# Altium PCB Layout.PcbDoc (continued)
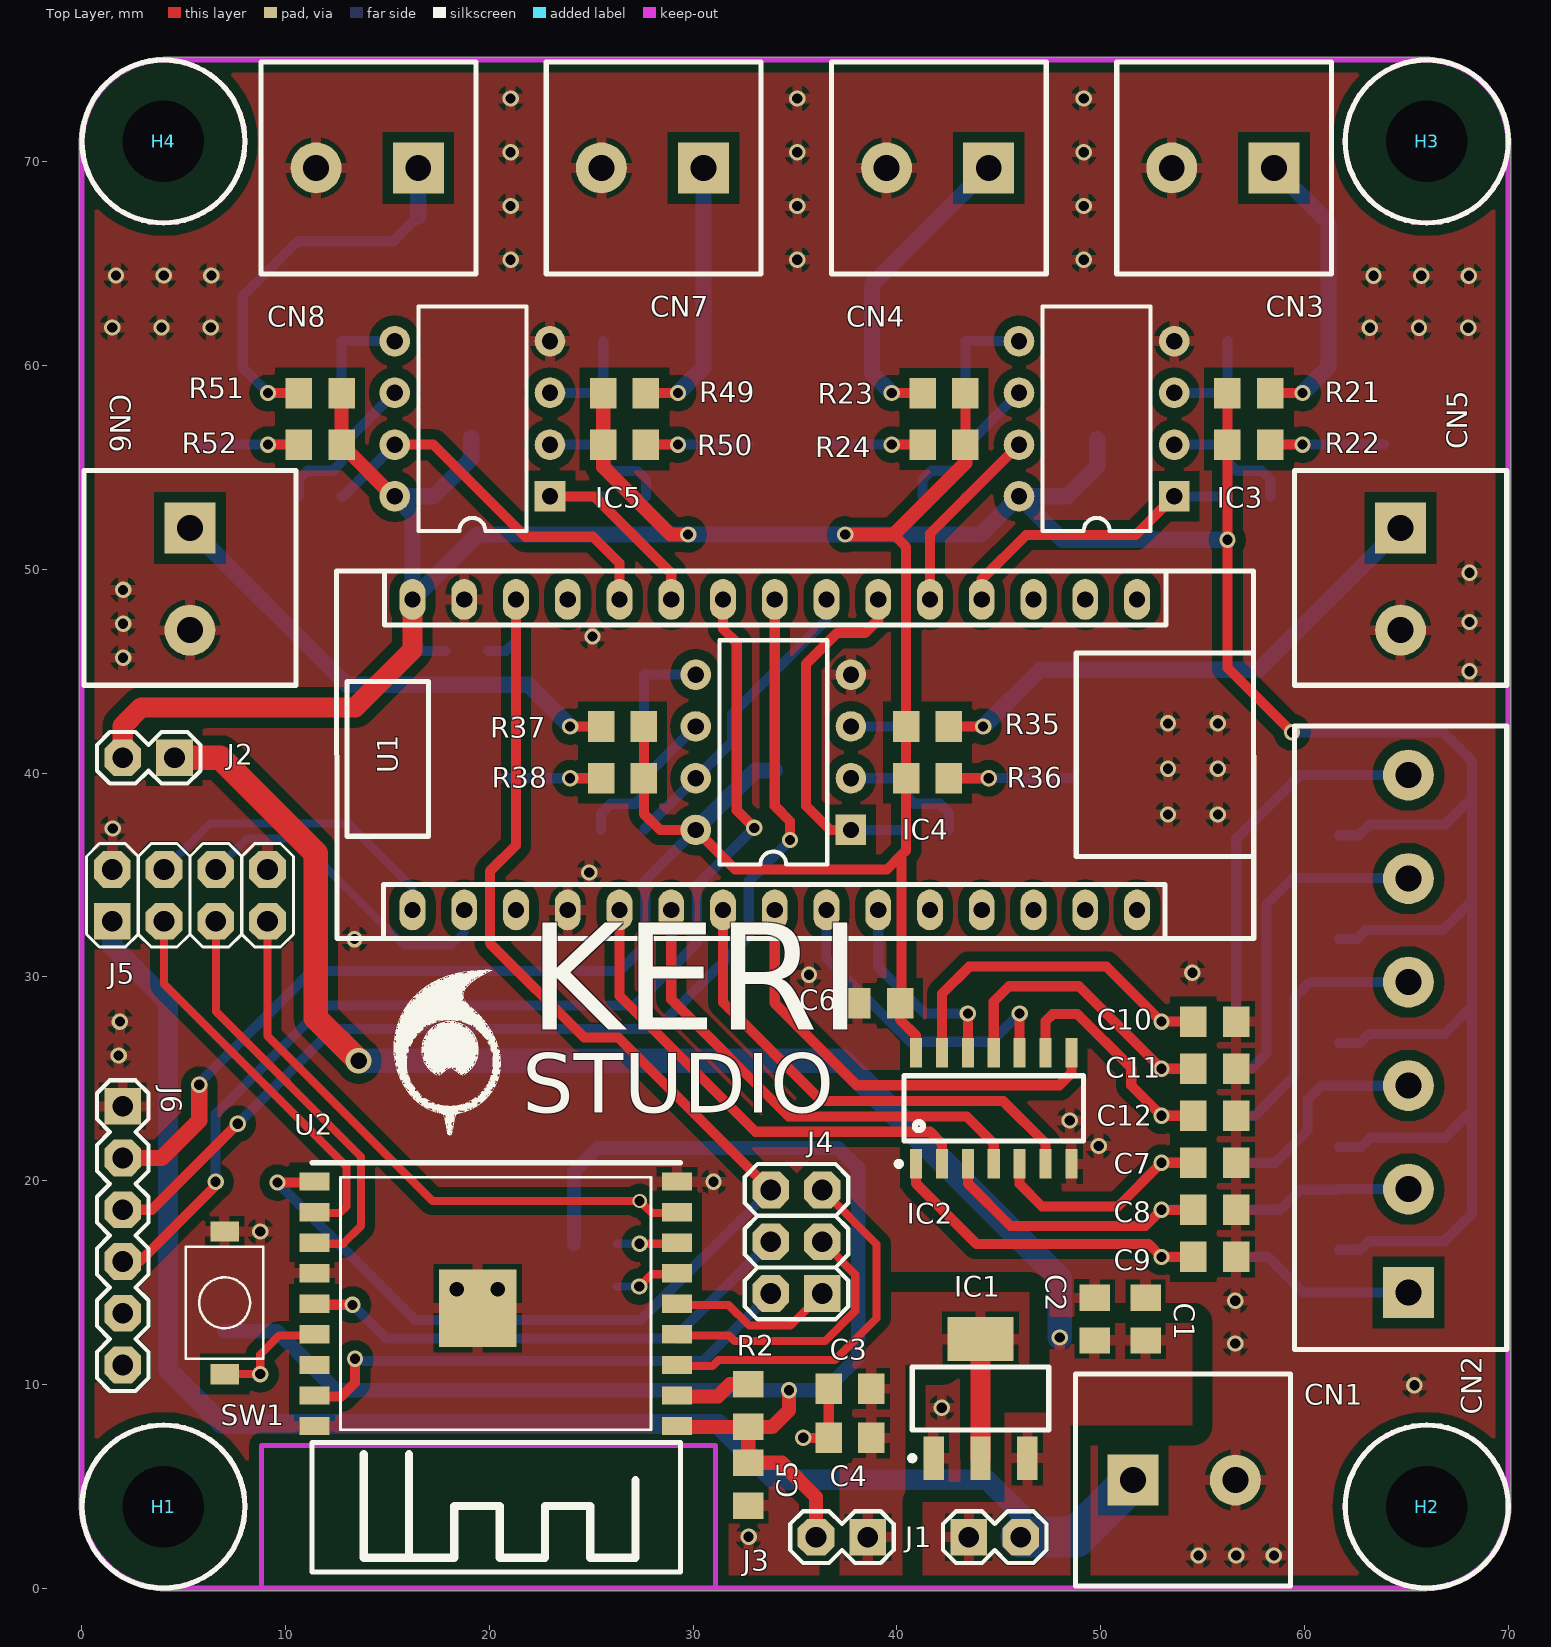
[diagram p0: Top Layer view]
## Part data (continued)
J1 J2 J3: library part Header_2.54mm_1X02, "TE Connectivity AMPMODU Mod II Series, 2.54mm Pitch 2 Way 1 Row Straight Breakaway Header, Solder Termination, 3A", Colour=Green, Current Rating=3A, Flammability Rating="UL94 V-0", High Temperature Housing=No, Manufacturer="TE Connectivity", Manufacturer Part Number=826646-2, Max Operating Temperature=105°C, Min Operating Temperature=-65°C, Package Quantity=3000, Supplier Part Number 1=571-826646-2, Board Standoff="No (Without)", ComponentLink1Description=https://datasheet.ciiva.com/11746/0900766b80d7c469-11746485.pdf, ComponentLink1URL=https://datasheet.ciiva.com/11746/0900766b80d7c469-11746485.pdf, ComponentLink2Description=https://datasheet.ciiva.com/31842/8266462-31842526.pdf, ComponentLink2URL=https://datasheet.ciiva.com/31842/8266462-31842526.pdf, ComponentLink3Description=https://datasheet.ciiva.com/29369/001094740-da-01-en-stiftleiste-1-reihig-0-0826646-2-29369543.pdf, ComponentLink3URL=https://datasheet.ciiva.com/29369/001094740-da-01-en-stiftleiste-1-reihig-0-0826646-2-29369543.pdf, ComponentLink4Description=https://datasheet.ciiva.com/735/eng-cd-826629-aa-basefilename-735038.pdf, ComponentLink4URL=https://datasheet.ciiva.com/735/eng-cd-826629-aa-basefilename-735038.pdf, Connector Type=Plug,Pin,Header, Contact Gender=Male, Contact Material=Bronze, Contact Mating Length=0.228inch, Contact Plating=Tin,Gold, Contact Protection="No (Without)", Contact Shape=Square, Depth=2.5mm, ELV=Compliant, Gasket="No (Without)", High Speed Serial Data Connector=No, Housing Colour=Green, Housing Material=PBT, Keyed=No, Lead Free="Lead Free", Length=5.08mm, Mating Alignment="No (Without)", Mating Connector Lock="No (Without)", Mating Post Length=5.8mm, Mount="Straddle Mount", Number of Contacts=2, Number of Positions=2, Number of Rows=1, Orientation=Straight, Packaging=Carton, PCB Mount Retention=Without, Pitch=2.54mm, Plating Thickness=0.8um, Pricing 1="1=0.37, 10=0.343, 50=0.343, 100=0.263, 1000=0.189, 10000=0.157 (USD)", Radiation Hardening=No, Row Spacing=2.54mm, Selectively Loaded="No (Without)", Stabilizers="No (Without)", Stock 1=37059, Strain Relief="No (Without)", Supplier 1=Mouser, Termination="Through Hole", Termination Post Length=0.1259inch
J4: library part Header_2.54mm_2X03, "Headers & Wire Housings 03+03 DIL VERTICAL PIN HEADER TIN", Colour=Black, Contact Resistance=25mR, Current Rating=3A, Insulation Resistance=10GR, Manufacturer=Harwin, Manufacturer Part Number=M20-9980346, Max Operating Temperature=105°C, Min Operating Temperature=-40°C, Package Quantity=1000, Supplier Part Number 1=855-M20-9980346, ComponentLink1Description=https://datasheet.ciiva.com/11745/0900766b81034e61-11745752.pdf, ComponentLink1URL=https://datasheet.ciiva.com/11745/0900766b81034e61-11745752.pdf, ComponentLink2Description=https://datasheet.ciiva.com/26899/getdatasheetpartid-483857-26899433.pdf, ComponentLink2URL=https://datasheet.ciiva.com/26899/getdatasheetpartid-483857-26899433.pdf, ComponentLink3Description=https://datasheet.ciiva.com/8046/112195-8046906.pdf, ComponentLink3URL=https://datasheet.ciiva.com/8046/112195-8046906.pdf, Connector Type="Male Pin", Contact Material=Bronze,Brass, Contact Mating Length=0.24inch, Contact Plating=Nickel,Tin, Depth=5.08mm, Gender=Male, Housing Colour=Black, Housing Material=Nylon, Length=7.62mm, Max Current Rating=3A, Mount="Through Hole", Number of Contacts=6, Number of Positions=6, Number of Rows=2, Orientation=Straight, Packaging=Bag, Pitch=2.54mm, Pricing 1="1=0.24, 10=0.229, 50=0.229, 100=0.159, 1000=0.11, 10000=0.089 (USD)", Radiation Hardening=No, REACH SVHC="No SVHC", Row Spacing=0.1inch, Stock 1=8602, Supplier 1=Mouser, Termination=Solder
J5: library part Header_2.54mm_2X04, "Headers & Wire Housings 04+04 DIL VERTICAL PIN HEADER TIN", Colour=Black, Contact Resistance=30mR, Current Rating=3A, Insulation Resistance=10GR, Manufacturer=Harwin, Manufacturer Part Number=M20-9980446, Max Operating Temperature=105°C, Min Operating Temperature=-40°C, Package Quantity=1000, Supplier Part Number 1=855-M20-9980446, ComponentLink1Description=https://datasheet.ciiva.com/11745/0900766b81034e61-11745748.pdf, ComponentLink1URL=https://datasheet.ciiva.com/11745/0900766b81034e61-11745748.pdf, ComponentLink2Description=https://datasheet.ciiva.com/6814/m20-998-6814757.pdf, ComponentLink2URL=https://datasheet.ciiva.com/6814/m20-998-6814757.pdf, ComponentLink3Description=https://datasheet.ciiva.com/9480/m20-998-9480200.pdf, ComponentLink3URL=https://datasheet.ciiva.com/9480/m20-998-9480200.pdf, ComponentLink4Description=https://datasheet.ciiva.com/26899/getdatasheetpartid-505183-26899434.pdf, ComponentLink4URL=https://datasheet.ciiva.com/26899/getdatasheetpartid-505183-26899434.pdf, ComponentLink5Description=https://datasheet.ciiva.com/8046/112195-8046909.pdf, ComponentLink5URL=https://datasheet.ciiva.com/8046/112195-8046909.pdf, Connector Type="Male Pin", Contact Material=Bronze,Brass, Contact Mating Length=0.24inch, Contact Plating=Tin, Depth=5.08mm, Gender=Male, Housing Colour=Black, Housing Material=Nylon, Length=10.16mm, Max Current Rating=3A, Mount="Through Hole", Number of Contacts=8, Number of Positions=8, Number of Rows=2, Orientation=Straight, Packaging=Bag, Pitch=2.54mm, Pricing 1="1=0.3, 10=0.28, 50=0.28, 100=0.196, 1000=0.14, 10000=0.112 (USD)", Radiation Hardening=No, REACH SVHC="No SVHC", Row Spacing=0.1inch, Stock 1=10983, Supplier 1=Mouser, Termination=Solder
J6: library part Header_2.54mm_1X06, "CONNECTOR, 6WAY, VERTICAL, 2.54", Colour=Green, Current Rating=3A, Flammability Rating="UL94 V-0", High Temperature Housing=No, Manufacturer="TE Connectivity", Manufacturer Part Number=826646-6, Max Operating Temperature=105°C, Min Operating Temperature=-65°C, Package Quantity=1000, Supplier Part Number 1=571-826646-6, Board Standoff="No (Without)", ComponentLink1Description=https://datasheet.ciiva.com/1448/47535-1448067.pdf, ComponentLink1URL=https://datasheet.ciiva.com/1448/47535-1448067.pdf, ComponentLink2Description=https://datasheet.ciiva.com/49517/abc918-49517591.pdf, ComponentLink2URL=https://datasheet.ciiva.com/49517/abc918-49517591.pdf, ComponentLink3Description=https://datasheet.ciiva.com/6816/eng-cd-826629-aa-basefilename-6816056.pdf, ComponentLink3URL=https://datasheet.ciiva.com/6816/eng-cd-826629-aa-basefilename-6816056.pdf, ComponentLink4Description=https://datasheet.ciiva.com/11754/0900766b80d7c469-11754285.pdf, ComponentLink4URL=https://datasheet.ciiva.com/11754/0900766b80d7c469-11754285.pdf, ComponentLink5Description=https://datasheet.ciiva.com/29369/001094744-da-01-en-stiftleiste-1-reihig-0-0826646-6-29369560.pdf, ComponentLink5URL=https://datasheet.ciiva.com/29369/001094744-da-01-en-stiftleiste-1-reihig-0-0826646-6-29369560.pdf, Connector Type=Plug,Pin,Header, Contact Gender=Male, Contact Material=Bronze, Contact Mating Length=0.228inch, Contact Plating=Tin,Gold, Contact Protection="No (Without)", Contact Shape=Square, Depth=2.5mm, Gasket="No (Without)", High Speed Serial Data Connector=No, Housing Colour=Green, Housing Material=PBT, Keyed=No, Length=15.24mm, Mating Alignment="No (Without)", Mating Connector Lock="No (Without)", Mating Post Length=5.8mm, Mount="Straddle Mount", Number of Contacts=6, Number of Positions=6, Number of Rows=1, Orientation=Straight, Packaging=Carton, PCB Mounting Orientation=Vertical, PCB Mount Retention=Without, Pitch=2.54mm, Plating Thickness=0.8um, Pricing 1="1=0.79, 10=0.693, 50=0.693, 100=0.598, 1000=0.435, 10000=0.354 (USD)", Radiation Hardening=No, REACH SVHC="No SVHC", Row Spacing=2.54mm, Selectively Loaded="No (Without)", Stabilizers="No (Without)", Stock 1=1670, Strain Relief="No (Without)", Supplier 1=Mouser, Termination="Through Hole", Termination Post Length=0.1259inch
R1 R2 R3 R4 R5 R6 R7 R8 R9 R10 R11 R12 R13 R14 R15 R16 R17 R18 R25 R26 R27 R28 R39 R40 R41 R42 R53 R54 R55 R56: library part R_0805_10K, "Thick Film Resistors - SMD 10K 0805 5%", Case/Package=0805, Case Code (Metric)=2012, Manufacturer=Bourns, Manufacturer Part Number=CR0805-JW-103ELF, Max Operating Temperature=155°C, Max Power Dissipation=125mW, Min Operating Temperature=-55°C, Package Quantity=1, Resistance=10kR, Supplier Part Number 1=652-CR0805-JW-103ELF, Temperature Coefficient=200ppm/°C, Tolerance=5%, Voltage Rating=150V, Voltage Rating (DC)=100V, Case Code (Imperial)=0805, ComponentLink1Description=https://datasheet.ciiva.com/11821/0900766b80fcdb72-11821135.pdf, ComponentLink1URL=https://datasheet.ciiva.com/11821/0900766b80fcdb72-11821135.pdf, ComponentLink2Description=https://datasheet.ciiva.com/9122/chpreztr-9122374.pdf, ComponentLink2URL=https://datasheet.ciiva.com/9122/chpreztr-9122374.pdf, ComponentLink3Description=https://datasheet.ciiva.com/22693/1902866-22693254.pdf, ComponentLink3URL=https://datasheet.ciiva.com/22693/1902866-22693254.pdf, ComponentLink4Description=https://datasheet.ciiva.com/30065/159chpreztr-30065976.pdf, ComponentLink4URL=https://datasheet.ciiva.com/30065/159chpreztr-30065976.pdf, ComponentLink5Description=https://datasheet.ciiva.com/16783/70154685-16783482.pdf, ComponentLink5URL=https://datasheet.ciiva.com/16783/70154685-16783482.pdf, ComponentLink6Description=https://datasheet.ciiva.com/5548/chpreztr-5548491.pdf, ComponentLink6URL=https://datasheet.ciiva.com/5548/chpreztr-5548491.pdf, ComponentLink7Description=https://datasheet.ciiva.com/7986/691949-7986187.pdf, ComponentLink7URL=https://datasheet.ciiva.com/7986/691949-7986187.pdf, ComponentLink8Description=https://datasheet.ciiva.com/6559/chpreztr-6559900.pdf, ComponentLink8URL=https://datasheet.ciiva.com/6559/chpreztr-6559900.pdf, ComponentLink9Description=https://datasheet.ciiva.com/6559/chpreztr-6559901.pdf, ComponentLink9URL=https://datasheet.ciiva.com/6559/chpreztr-6559901.pdf, ComponentLink10Description=https://datasheet.ciiva.com/7985/1856384-7985869.pdf, ComponentLink10URL=https://datasheet.ciiva.com/7985/1856384-7985869.pdf, ComponentLink11Description=https://datasheet.ciiva.com/48692/001055517-da-01-en-smd-wid-cr0805-jw-103elf-10k-ohm-1-8w-48692118.pdf, ComponentLink11URL=https://datasheet.ciiva.com/48692/001055517-da-01-en-smd-wid-cr0805-jw-103elf-10k-ohm-1-8w-48692118.pdf, Composition="Thick Film", Contact Plating=Tin, Depth=1.25mm, Height=0.5mm, Length=2mm, Military Standard=Not, Mount="Surface Mount", Number of Pins=2, Number of Terminations=2, Packaging="Tape and Reel", Power Rating=125mW, Pricing 1="1=0.1, 10=0.03, 50=0.03, 100=0.017, 1000=0.008, 10000=0.006 (USD)", Radiation Hardening=No, REACH SVHC="No SVHC", Stock 1=36802, Supplier 1=Mouser, Termination=SMD/SMT, Thickness=508um, Width=1.25mm
R19 R20 R31 R32 R33 R34 R45 R46 R47 R48 R59 R60: library part R_0805_100K, "Thick Film Resistors - SMD 100K 0805 5%", Case/Package=0805, Case Code (Metric)=2012, Manufacturer=Bourns, Manufacturer Part Number=CR0805-JW-104ELF, Max Operating Temperature=155°C, Min Operating Temperature=-55°C, Package Quantity=5000, Power Rating=125mW, Resistance=100kR, Supplier Part Number 1=652-CR0805JW-104ELF, Temperature Coefficient=200ppm/°C, Tolerance=5%, Voltage Rating=150V, Case Code (Imperial)=0805, ComponentLink1Description=https://datasheet.ciiva.com/11809/0900766b80fcdb72-11809030.pdf, ComponentLink1URL=https://datasheet.ciiva.com/11809/0900766b80fcdb72-11809030.pdf, ComponentLink2Description=https://datasheet.ciiva.com/9120/chpreztr-9120778.pdf, ComponentLink2URL=https://datasheet.ciiva.com/9120/chpreztr-9120778.pdf, Composition="Thick Film", Contact Plating=Tin, Depth=1.25mm, Height=0.5mm, Length=2mm, Military Standard=Not, Mount="Surface Mount", Packaging="Tape and Reel", Pricing 1="1=0.1, 10=0.068, 50=0.068, 100=0.028, 1000=0.011, 10000=0.006 (USD)", Radiation Hardening=No, REACH SVHC="No SVHC", Stock 1=38668, Supplier 1=Mouser, Termination=SMD/SMT, Thickness=508um, Voltage Rating (DC)=150V, Width=1.25mm
R21 R22 R23 R24 R35 R36 R37 R38 R49 R50 R51 R52: library part R_0805_1K, "Thick Film Resistors - SMD 1K 5%", Case/Package=0805, Case Code (Metric)=2012, Manufacturer=Bourns, Manufacturer Part Number=CR0805-JW-102ELF, Max Operating Temperature=155°C, Max Power Dissipation=125mW, Min Operating Temperature=-55°C, Package Quantity=1, Resistance=1kR, Supplier Part Number 1=652-CR0805JW-102ELF, Temperature Coefficient=200ppm/°C, Tolerance=5%, Voltage Rating=150V, Case Code (Imperial)=0805, ComponentLink1Description=https://datasheet.ciiva.com/11821/0900766b80fcdb72-11821134.pdf, ComponentLink1URL=https://datasheet.ciiva.com/11821/0900766b80fcdb72-11821134.pdf, ComponentLink2Description=https://datasheet.ciiva.com/15225/getdatasheetpartid-78155-15225381.pdf, ComponentLink2URL=https://datasheet.ciiva.com/15225/getdatasheetpartid-78155-15225381.pdf, ComponentLink3Description=https://datasheet.ciiva.com/22693/1902866-22693253.pdf, ComponentLink3URL=https://datasheet.ciiva.com/22693/1902866-22693253.pdf, ComponentLink4Description=https://datasheet.ciiva.com/7986/1856384-7986184.pdf, ComponentLink4URL=https://datasheet.ciiva.com/7986/1856384-7986184.pdf, ComponentLink5Description=https://datasheet.ciiva.com/16934/chpreztr-16934442.pdf, ComponentLink5URL=https://datasheet.ciiva.com/16934/chpreztr-16934442.pdf, ComponentLink6Description=https://datasheet.ciiva.com/7985/1856384-7985867.pdf, ComponentLink6URL=https://datasheet.ciiva.com/7985/1856384-7985867.pdf, ComponentLink7Description=https://datasheet.ciiva.com/30242/159chpreztr-30242765.pdf, ComponentLink7URL=https://datasheet.ciiva.com/30242/159chpreztr-30242765.pdf, ComponentLink8Description=https://datasheet.ciiva.com/6547/chpreztr-6547359.pdf, ComponentLink8URL=https://datasheet.ciiva.com/6547/chpreztr-6547359.pdf, Composition="Thick Film", Contact Plating=Tin, Depth=1.25mm, Height=0.5mm, Lead Free="Lead Free", Length=2mm, Military Standard=Not, Mount="Surface Mount", Number of Pins=2, Number of Terminations=2, Packaging="Tape and Reel", Power Rating=125mW, Pricing 1="1=0.1, 10=0.03, 50=0.03, 100=0.017, 1000=0.008, 10000=0.006 (USD)", Radiation Hardening=No, REACH SVHC="No SVHC", Stock 1=29079, Supplier 1=Mouser, Termination=SMD/SMT, Thickness=508um, Voltage Rating (DC)=150V, Width=1.25mm
R29 R30 R43 R44 R57 R58: library part R_0805_100R, "Thick Film Resistors - SMD 10ohm 5%", Case/Package=0805, Case Code (Metric)=2012, Manufacturer=Bourns, Manufacturer Part Number=CR0805-JW-100ELF, Max Operating Temperature=155°C, Max Power Dissipation=125mW, Min Operating Temperature=-55°C, Package Quantity=5000, Resistance=10R, Supplier Part Number 1=652-CR0805JW-100ELF, Temperature Coefficient=200ppm/°C, Tolerance=5%, Voltage Rating=150V, Case Code (Imperial)=0805, ComponentLink1Description=https://datasheet.ciiva.com/11808/0900766b80fcdb72-11808714.pdf, ComponentLink1URL=https://datasheet.ciiva.com/11808/0900766b80fcdb72-11808714.pdf, ComponentLink2Description=https://datasheet.ciiva.com/16934/chpreztr-16934424.pdf, ComponentLink2URL=https://datasheet.ciiva.com/16934/chpreztr-16934424.pdf, Composition="Thick Film", Contact Plating=Tin, Depth=1.25mm, Height=0.5mm, Length=2mm, Military Standard=Not, Mount="Surface Mount", Number of Terminations=2, Packaging="Tape and Reel", Power Rating=125mW, Pricing 1="1=0.1, 10=0.068, 50=0.068, 100=0.028, 1000=0.011, 10000=0.006 (USD)", Radiation Hardening=No, REACH SVHC="No SVHC", Stock 1=30420, Supplier 1=Mouser, Termination=SMD/SMT, Thickness=508um, Voltage Rating (DC)=150V, Width=1.25mm
SW1: library part Button_Switch, "SWITCH TACTILE SPST-NO 0.05A 32V", Contact Current Rating=50mA, Contact Resistance=100mR, Insulation Resistance=1GR, IP Rating=IP50, Manufacturer="ITT C&K", Manufacturer Part Number=KSR231GLFS, Max Operating Temperature=85°C, Max Voltage Rating (DC)=32V, Min Operating Temperature=-40°C, Operating Force=3N, Package Quantity=1, Power Rating=1W, Supplier Part Number 1=401-1706-6-ND, Actuator Length=0.75mm, Actuator Material=Rubber, ComponentLink1Description=https://datasheet.ciiva.com/7986/1728697-7986994.pdf, ComponentLink1URL=https://datasheet.ciiva.com/7986/1728697-7986994.pdf, ComponentLink2Description=https://datasheet.ciiva.com/30466/0900766b8129cd35-30466700.pdf, ComponentLink2URL=https://datasheet.ciiva.com/30466/0900766b8129cd35-30466700.pdf, ComponentLink3Description=https://datasheet.ciiva.com/2900/ksr-2900293.pdf, ComponentLink3URL=https://datasheet.ciiva.com/2900/ksr-2900293.pdf, ComponentLink4Description=https://datasheet.ciiva.com/2900/ksr-2900294.pdf, ComponentLink4URL=https://datasheet.ciiva.com/2900/ksr-2900294.pdf, ComponentLink5Description=https://datasheet.ciiva.com/2900/ksr-2900295.pdf, ComponentLink5URL=https://datasheet.ciiva.com/2900/ksr-2900295.pdf, ComponentLink6Description=https://datasheet.ciiva.com/46387/1780692-46387193.pdf, ComponentLink6URL=https://datasheet.ciiva.com/46387/1780692-46387193.pdf, ComponentLink7Description=https://datasheet.ciiva.com/5684/1728697-5684458.pdf, ComponentLink7URL=https://datasheet.ciiva.com/5684/1728697-5684458.pdf, ComponentLink8Description=https://datasheet.ciiva.com/16396/ksr231glfs-16396266.pdf, ComponentLink8URL=https://datasheet.ciiva.com/16396/ksr231glfs-16396266.pdf, ComponentLink9Description=https://datasheet.ciiva.com/22712/1728697-22712106.pdf, ComponentLink9URL=https://datasheet.ciiva.com/22712/1728697-22712106.pdf, ComponentLink10Description=https://datasheet.ciiva.com/8167/ksr-8167660.pdf, ComponentLink10URL=https://datasheet.ciiva.com/8167/ksr-8167660.pdf, ComponentLink11Description=https://datasheet.ciiva.com/5283/ksr-5283645.pdf, ComponentLink11URL=https://datasheet.ciiva.com/5283/ksr-5283645.pdf, Contact Material=Silver, Contact Plating=Silver, Current Rating=50mA, Depth=3.8mm, Illumination Type=Non-Illuminated,Illuminated, Lead Free="Lead Free", Length=7.3mm, Max Current Rating=50mA, Mechanical Life=100000Cycles, Mount="Surface Mount", Orientation=Straight, Packaging="Tape and Reel", Pricing 1="1=0.61, 10=0.585, 25=0.574, 50=0.5522, 100=0.4764, 250=0.43312, 500=0.41148, 1000=0.32485 (USD)", Radiation Hardening=No, REACH SVHC="No SVHC", Stock 1=11668, Supplier 1=Digi-Key, Switch Function=Off-Mom, Switch Travel=0.35mm, Termination="Gull Wing", Throw Configuration=SPST, Voltage Rating (DC)=32V, Width=6mm
U1: "ARDUINO   A000005   ATMEGA328, ARDUINO NANO, EVAL BOARD", Manufacturer=Arduino, Manufacturer Part Number=A000005, Operating Supply Voltage=20V, Package Quantity=1, Supplier Part Number 1=992-ARD-NANO30, ComponentLink1Description=https://datasheet.ciiva.com/19455/2121148-19455443.pdf, ComponentLink1URL=https://datasheet.ciiva.com/19455/2121148-19455443.pdf, ComponentLink2Description=https://datasheet.ciiva.com/1336/1682238-1336473.pdf, ComponentLink2URL=https://datasheet.ciiva.com/1336/1682238-1336473.pdf, ComponentLink3Description=https://datasheet.ciiva.com/1414/810078-1414124.pdf, ComponentLink3URL=https://datasheet.ciiva.com/1414/810078-1414124.pdf, ComponentLink4Description=https://datasheet.ciiva.com/2398/arduinonanomanual23-2398236.pdf, ComponentLink4URL=https://datasheet.ciiva.com/2398/arduinonanomanual23-2398236.pdf, ComponentLink5Description=https://datasheet.ciiva.com/4926/arduino-arduinoboardnano-188748-4926316.pdf, ComponentLink5URL=https://datasheet.ciiva.com/4926/arduino-arduinoboardnano-188748-4926316.pdf, ComponentLink6Description=https://datasheet.ciiva.com/20168/73-4448-20168542.pdf, ComponentLink6URL=https://datasheet.ciiva.com/20168/73-4448-20168542.pdf, ComponentLink7Description=https://datasheet.ciiva.com/12069/arduino-arduinoboardnano-12069727.pdf, ComponentLink7URL=https://datasheet.ciiva.com/12069/arduino-arduinoboardnano-12069727.pdf, Core Architecture=AVR, Data Bus Width=8b, Evaluation Kit=Yes, Height=0.25inch, Interface=I2C,SPI,USB, Length=7inch, Number of Bits=8, Packaging=Bulk, REACH SVHC="No SVHC", Stock 1=0, Supplier 1=Mouser, Weight=0.02lb, Width=5inch
U2: "WiFi Modules (802.11) SMD Module, ESP8266EX, 16Mbits SPI flash, UART Mode", Manufacturer="Espressif Systems", Supplier Part Number 1=356-ESP-WROOM-02, ComponentLink1Description=Datasheet, ComponentLink1URL=https://espressif.com/sites/default/files/documentation/0c-esp-wroom-02_datasheet_en.pdf, Manufacturer Part Number=ESP-WROOM-02, Pricing 1="1=2.7, 10=2.7, 50=2.7, 100=2.7, 1000=2.7, 10000=2.7 (USD)", Stock 1=4063, Supplier 1=Mouser

## Via types
v1: diameter 0.8, hole 0.5, Top Layer to Bottom Layer, 94 vias
v2: diameter 1.27, hole 0.711, Top Layer to Bottom Layer, 2 vias
v3: diameter 1.27, hole 0.8, Top Layer to Bottom Layer, 1 vias
v4: diameter 0.7, hole 0.5, Top Layer to Bottom Layer, 1 vias

## Nets (pads, with @x,y where several pads share a name; then routed paths per layer and width w, separated by ;. In a path a pad name is that pad's centre, name@x,y a point inside that pad or via, vN(x,y) a via of type N, cw(c..) or ccw(c..) an arc to the next point about the centre after c; other vN are vias at no path point)
3V3: C3.1 C4.1 IC1.2 IC1.4 J3.1 | length 5.9
  Top Layer w1: IC1.2 IC1.4
5V: C1.1 C2.1 IC1.3 J1.1 J2.1 | length 61.7
  Top Layer w1.2: J2.1 6.79,40.75 11.48,36.06 11.48,27.98 v3(13.58,25.88)
  Bottom Layer w1.2: v3(13.58,25.88) 37.32,25.88 47.99,15.21 v1(47.99,12.3)
A0: IC3.1 R31.1 U1.A0 | length 14.7
  Top Layer w0.5: U1.A0 44.16,49.51 46.33,51.68 51.71,51.68 IC3.1
  Bottom Layer w0.5: IC3.1 56.21,53.58 R31.1
A1: IC3.7 R32.1 U1.A1 | length 13.1
  Top Layer w0.5: U1.A1 41.62,51.75 IC3.7
  Bottom Layer w0.5: R32.1 43.44,53.57 IC3.7
A2: IC4.1 R45.1 U1.A2 | length 17.8
  Top Layer w0.5: IC4.1 36.71,37.21 35.54,38.38 35.54,45.36 37.05,46.87 38.43,46.87 39.08,47.52 U1.A2
  Bottom Layer w0.5: IC4.1 R45.1
A3: IC4.7 R46.1 U1.A3 | length 15
  Bottom Layer w0.5: R46.1 IC4.7 31.9,41.53 31.9,42.89 36.54,47.53 U1.A3
A6: IC5.1 R59.1 U1.A6 | length 11.4
  Top Layer w0.5: IC5.1 25.144,53.58 28.92,49.804 U1.A6
  Bottom Layer w0.5: IC5.1 25.57,53.58 R59.1
A7: IC5.7 R60.1 U1.A7 | length 18.9
  Top Layer w0.5: IC5.7 17.25,56.12 21.77,51.6 25.08,51.6 26.38,50.3 U1.A7
  Bottom Layer w0.5: R60.1 12.8,53.57 IC5.7
D2: IC2.2 U1.D2 | length 24
  Top Layer w0.5: U1.D2 26.38,29.07 33.058,22.392 41.628,22.392 42.21,21.81 IC2.2
D3: IC2.4 U1.D3 | length 24.1
  Top Layer w0.5: U1.D3 28.92,28.9 34.674,23.146 43.424,23.146 44.75,21.82 IC2.4
D4: IC2.6 U1.D4 | length 24.2
  Top Layer w0.5: U1.D4 31.46,28.75 36.31,23.9 45.22,23.9 47.29,21.83 IC2.6
D5: IC2.8 U1.D5 | length 22
  Top Layer w0.5: U1.D5 34,28.71 38.03,24.68 47.97,24.68 48.56,25.27 IC2.8
D6: IC2.10 U1.D6 | length 16.1
  Top Layer w0.5: IC2.10 v1(46.02,28.2)
  Bottom Layer w0.5: U1.D6 36.54,30.91 40.64,26.81 44.63,26.81 v1(46.02,28.2)
D7: IC2.12 U1.D7 | length 10.1
  Top Layer w0.5: IC2.12 v1(43.48,28.2)
  Bottom Layer w0.5: U1.D7 39.08,30.48 41.36,28.2 v1(43.48,28.2)
EN: R2.1 U2.2 | length 3.8
  Top Layer w0.7: U2.2@29.193,9.4 31.2,9.4 31.808,10.008 R2.1
ESP_3V3: C5.2 J3.2 R1.1 R2.2 R3.2 R5.2 U2.1 | length 75.2
  Top Layer w0.7: U2.1@29.193,7.9 29.201,7.908 R2.2 ; v1(34.7,9.71) 34.7,8.73 33.878,7.908 R2.2 ; J3.2 36.03,4.47 34.35,6.15 C5.2 R2.2
  Bottom Layer w0.7: R5.2 9.56,12.6 12.45,9.71 v1(34.7,9.71) 36.47,9.71 38.1,11.34 38.1,20.6 37.1,21.6 25.3,21.6 24.15,20.45 R1.1 R3.2
ESP_RX: J5.3 U2.11 | length 19.4
  Top Layer w0.4: J5.3 4.03,29.64 12.98,20.69 12.98,18.73 12.65,18.4 U2.11@11.407,18.4
ESP_TX: J5.5 U2.12 | length 20.6
  Top Layer w0.4: J5.5 6.57,28.29 13.69,21.17 13.69,17.77 12.82,16.9 U2.12@11.407,16.9
GND: C1.2 C2.2 C3.2 C4.2 C5.1 C6.2 C7.2 C8.2 C9.2 C10.2 C11.2 C12.2 C13.2 C14.2 C15.2 CN1.2 CN3.2 CN4.2 CN5.2 CN6.2 CN7.2 CN8.2 IC1.1 IC2.7 IC3.4 IC4.4 IC5.4 J5.2 J5.8 J6.1 R4.2 R19.2 R20.2 R29.1 R30.1 R33.2 R34.2 R43.1 R44.1 R47.2 R48.2 R57.1 R58.1 SW1.1 U1.GND U1.GND1 U2.9 U2.13 U2.18 U2.19 | length 3.7
  Top Layer w0.5: v1(35.4,7.38) 35.408,7.372 C4.2 C3.2
  other v1: 54.8,1.6 56.653,1.6 58.5,1.6 32.72,2.52 42.2,8.852 65.395,9.949 56.607,12 56.607,14.1 8.75,17.5 31,19.94 49.9,21.7 48.48,22.95 1.8,26.14 1.86,27.8 35.678,30.1 54.5,30.2 13.38,31.85 24.9,35.118 1.51,37.28 53.3,37.966 55.75,37.966 53.3,40.21 55.75,40.21 53.3,42.44 55.75,42.44 68.1,45.002 2.02,45.66 25.054,46.7 2.02,47.325 68.1,47.416 2.02,48.99 68.1,49.83 63.21,61.86 65.624,61.86 68.038,61.86 1.49,61.87 3.904,61.87 6.318,61.87 1.67,64.42 4.01,64.42 6.35,64.42 63.39,64.41 65.73,64.41 68.07,64.41 21.04,65.19 35.11,65.19 49.17,65.19 21.04,67.83 35.11,67.83 49.17,67.83 21.04,70.47 35.11,70.47 49.17,70.47 21.04,73.11 35.11,73.11 49.17,73.11
  other v2: 18.4,14.657 20.4,14.657
INV1_1: IC3.2 R27.2 R31.2 | length 6.8
  Bottom Layer w0.5: IC3.2 R27.2 56.22,55.277 56.657,54.84 57.89,54.84 58.32,54.41 R31.2
INV1_2: IC3.6 R28.2 R32.2 | length 7.8
  Bottom Layer w0.5: R32.2 41.26,54.41 41.69,54.84 42.92,54.84 43.36,55.28 R28.2 43.45,56.12 IC3.6
INV2_1: IC4.2 R41.2 R45.2 | length 6.9
  Bottom Layer w0.5: IC4.2 40.447,39.75 40.447,38.903 40.857,38.493 42.107,38.493 42.55,38.05 R45.2
INV2_2: IC4.6 R42.2 R46.2 | length 7.7
  Bottom Layer w0.5: R46.2 25.48,38.036 25.937,38.493 27.163,38.493 27.58,38.91 R42.2 27.58,39.75 IC4.6
INV3_1: IC5.2 R55.2 R59.2 | length 6.8
  Bottom Layer w0.5: IC5.2 R55.2 25.58,55.28 26.036,54.824 27.266,54.824 27.68,54.41 R59.2
INV3_2: IC5.6 R56.2 R60.2 | length 7.8
  Bottom Layer w0.5: R60.2 10.64,54.41 11.07,54.84 12.31,54.84 12.74,55.27 R56.2 12.81,56.12 IC5.6
IO0: J5.7 R1.2 U2.8 | length 30.4
  Top Layer w0.4: J5.7 9.11,27.09 17.2,19 v4(27.37,19) 27.97,18.4 U2.8@29.193,18.4
  Bottom Layer w0.4: R1.2 v4@27.33,19
IO2: R3.1 U2.7 | length 2.9
  Top Layer w0.4: v1(27.37,16.9) U2.7@29.193,16.9
  Bottom Layer w0.4: R3.1 v1(27.37,16.9)
IO4: J4.6 R6.2 U1.RST U2.10 | length 71.2
  Top Layer w0.5: v1(9.6,19.9) U2.10@11.407,19.9 ; U1.RST 21.3,36.46 20.02,35.18 20.02,31.653 24.653,27.02 26.32,27.02 J4.6
  Bottom Layer w0.5: v1(9.6,19.9) 16.34,13.16 27.42,13.16 J4.6 ; R6.2 20.8,45.99 21.3,46.49 U1.RST
IO5: J4.4 U2.14 | length 25
  Top Layer w0.5: U2.14@11.407,13.9 v1(13.28,13.9)
  Bottom Layer w0.5: v1(13.28,13.9) 14.93,12.25 29.05,12.25 J4.4
IO12: J4.3 U2.4 | length 13.5
  Top Layer w0.4: U2.4@29.193,12.4 31.76,12.4 32.03,12.13 36.48,12.13 37.95,13.6 37.95,15.39 J4.3
IO13: J4.1 U2.5 | length 8.2
  Top Layer w0.4: U2.5@29.193,13.9 31.74,13.9 32.749,12.891 34.771,12.891 J4.1
IO14: J4.5 U2.3 | length 18.2
  Top Layer w0.4: U2.3@29.193,10.9 30.95,10.9 31.24,11.19 36.95,11.19 39.004,13.244 39.004,16.876 J4.5
IO15: R4.1 U2.6 | length 3.2
  Top Layer w0.4: v1(27.35,14.8) 27.95,15.4 U2.6@29.193,15.4
  Bottom Layer w0.4: R4.1 v1(27.35,14.8)
IO16: J4.2 U2.17 | length 25.3
  Top Layer w0.5: U2.17@11.407,9.4 12.73,9.4 13.4,10.07 v1(13.4,11.25)
  Bottom Layer w0.5: v1(13.4,11.25) 13.51,11.14 15.02,11.14 30.48,11.14 J4.2
NANO_5V: C6.1 C13.1 C14.1 C15.1 IC2.14 IC3.8 IC4.8 IC5.8 J2.2 J6.2 R6.1 R7.2 R8.2 R9.2 R10.2 R11.2 R12.2 R21.2 R22.2 R23.2 R24.2 R35.2 R36.2 R37.2 R38.2 R49.2 R50.2 R51.2 R52.2 U1.RAW | length 282.8
  Top Layer w0.5: R37.2 R38.2 27.58,38 28.37,37.21 IC4.8 32.06,35.27 39.51,35.27 40.219,35.979 ; 39.838,51.71 40.45,51.098 R35.2 R36.2 40.45,36.21 40.219,35.979 ; IC2.14 40.94,27.11 40.15,27.9 C6.1 40.219,28.769 40.219,35.979 ; R24.2 R23.2 ; R21.2 R22.2 v1(56.22,51.45) 56.22,45.17 v1(59.39,42)
  Top Layer w0.7: R51.2 R52.2 15.28,53.58 IC5.8 ; R49.2 R50.2 25.58,55.02 28.89,51.71 v1(29.75,51.71) ; v1(37.46,51.71) 39.838,51.71 43.36,55.232 R24.2
  Top Layer w0.8: J6.2 3.92,21.11 5.76,22.95 v1(5.76,24.7)
  Top Layer w1: J2.2 2,42.31 2.909,43.219 13.409,43.219 16.22,46.031 U1.RAW
  Bottom Layer w0.5: v1(5.76,24.7) 5.76,24.79 11.25,30.28 26.37,30.28 27.65,31.56 27.65,34.74 IC4.8 ; U1.RAW 16.22,46.51 16.74,45.99 R6.1 ; v1(59.39,42) R10.2 66.81,42 68.23,40.58 68.23,38.81 ; R9.2 62.74,16.6 63.16,17.02 66.86,17.02 68.23,18.39 68.23,23.45 ; R8.2 62.79,21.65 63.24,22.1 66.88,22.1 68.23,23.45 ; R7.2 62.72,26.75 63.16,27.19 66.87,27.19 68.23,28.55 ; R12.2 62.57,31.85 63.02,32.3 66.8,32.3 68.23,33.73 ; R11.2 62.68,36.95 63.2,37.47 66.89,37.47 68.23,38.81 ; 68.23,23.45 68.23,28.55 ; 68.23,28.55 68.23,33.73 ; 68.23,33.73 68.23,38.81
  Bottom Layer w0.8: C15.1 19.11,55.43 17.26,53.58 IC5.8 16.22,52.71 U1.RAW 19.41,51.71 v1(29.75,51.71) v1(37.46,51.71) 44.12,51.71 IC3.8 ; IC4.8 33.04,40.13 C14.1 ; C13.1 49.83,55.05 48.36,53.58 IC3.8 ; v1(56.22,51.45) 48.12,51.45 IC3.8
NANO_RX: J5.6 U1.RX1 | length 16.4
  Bottom Layer w0.4: J5.6 8.09,36.79 10.55,36.79 15.81,31.53 18.11,31.53 18.76,32.18 U1.RX1
NANO_TX: J5.4 U1.TX0 | length 15.5
  Bottom Layer w0.4: J5.4 6.28,37.52 13.09,37.52 16.22,34.39 U1.TX0
NetC7_1: C7.1 IC2.5 R17.2 | length 12.4
  Top Layer w0.5: IC2.5 46.02,19.83 47.12,18.73 50.845,18.73 v1(52.985,20.87) C7.1
  Bottom Layer w0.5: v1(52.985,20.87) 52.991,20.875 R17.2 R17.2@54.545,20.87
NetC8_1: C8.1 IC2.3 R15.2 | length 14.8
  Top Layer w0.5: IC2.3 43.48,19.86 45.57,17.77 52.188,17.77 v1(52.985,18.567) 52.992,18.56 C8.1 C8.1@54.543,18.567
  Bottom Layer w0.5: v1(52.985,18.567) R15.2
NetC9_1: C9.1 IC2.1 R13.2 | length 17.7
  Top Layer w0.5: IC2.1 40.94,19.85 43.9,16.89 52.345,16.89 v1(52.985,16.25) C9.1
  Bottom Layer w0.5: v1(52.985,16.25) 52.994,16.259 R13.2 R13.2@54.541,16.25
NetC10_1: C10.1 IC2.13 R14.1 | length 18.5
  Top Layer w0.5: IC2.13 42.21,29.17 43.54,30.5 50.285,30.5 v1(52.985,27.8) C10.1
  Bottom Layer w0.5: v1(52.985,27.8) R14.1
NetC11_1: C11.1 IC2.11 R16.1 | length 15.9
  Top Layer w0.5: IC2.11 44.75,28.79 45.5,29.54 48.935,29.54 v1(52.985,25.49) C11.1
  Bottom Layer w0.5: v1(52.985,25.49) 52.987,25.492 R16.1 R16.1@54.548,25.49
NetC12_1: C12.1 IC2.9 R18.1 | length 13.1
  Top Layer w0.5: IC2.9 47.29,27.82 47.64,28.17 48.86,28.17 51.5,25.53 51.5,24.669 v1(52.985,23.183) 52.989,23.18 C12.1 C12.1@54.547,23.183
  Bottom Layer w0.5: v1(52.985,23.183) R18.1
NetCN3_1: CN3.1 R21.1 R25.1 | length 15.9
  Top Layer w0.5: R21.1 v1(59.9,58.65)
  Bottom Layer w0.5: R25.1 v1(59.9,58.65)
  Bottom Layer w0.8: CN3.1 61.18,67.02 61.18,59.93 v1(59.9,58.65)
NetCN4_1: CN4.1 R23.1 R26.1 | length 16.9
  Top Layer w0.5: v1(39.74,58.65) R23.1
  Bottom Layer w0.5: v1(39.74,58.65) R26.1
  Bottom Layer w0.8: v1(39.74,58.65) 38.77,59.62 38.77,63.968 CN4.1
NetCN5_1: CN5.1 R35.1 R39.1 | length 27.7
  Top Layer w0.5: R35.1 v1@44.03,42.284
  Bottom Layer w0.5: R39.1 v1(44.23,42.284) v1@44.246,42.284
  Bottom Layer w0.8: v1@44.246,42.284 47.032,45.07 57.762,45.07 CN5.1
NetCN6_1: CN6.1 R37.1 R40.1 | length 25.7
  Top Layer w0.5: v1(23.96,42.284) R37.1
  Bottom Layer w0.5: v1(23.96,42.284) R40.1
  Bottom Layer w0.8: CN6.1 12.997,44.33 21.914,44.33 v1(23.96,42.284)
NetCN7_1: CN7.1 R49.1 R53.1 | length 14.7
  Top Layer w0.5: R49.1 v1(29.25,58.65)
  Bottom Layer w0.5: R53.1 v1(29.25,58.65)
  Bottom Layer w0.8: v1(29.25,58.65) 30.505,59.905 CN7.1
NetCN8_1: CN8.1 R51.1 R54.1 | length 20.9
  Top Layer w0.5: v1(9.13,58.65) R51.1
  Bottom Layer w0.5: R54.1 v1(9.13,58.65) 7.892,59.888 7.892,63.411 10.581,66.1 15.285,66.1 16.507,67.322
  Bottom Layer w0.8: 16.507,67.322 CN8.1
NetR22_1: R22.1 R27.1 R29.2 | length 7.2
  Top Layer w0.5: R22.1 v1(59.9,56.12)
  Bottom Layer w0.5: R27.1 v1(59.9,56.12) 59.91,56.13 R29.2
NetR24_1: R24.1 R28.1 R30.2 | length 6.5
  Top Layer w0.5: v1(39.74,56.12) R24.1
  Bottom Layer w0.5: R30.2 v1(39.74,56.12) R28.1
NetR36_1: R36.1 R41.1 R43.2 | length 7.9
  Top Layer w0.5: R36.1 v1(44.502,39.75)
  Bottom Layer w0.5: R41.1@42.553,39.75 v1(44.502,39.75) 44.504,39.752 R43.2 R43.2@48.495,39.747
  Bottom Layer w0.8: R41.1 R41.1@42.553,39.75
NetR38_1: R38.1 R42.1 R44.2 | length 6.7
  Top Layer w0.5: v1(23.96,39.747) R38.1
  Bottom Layer w0.5: R44.2 23.957,39.75 v1(23.96,39.747) R42.1
NetR50_1: R50.1 R55.1 R57.2 | length 6.6
  Top Layer w0.5: R50.1 v1(29.25,56.12)
  Bottom Layer w0.5: R55.1 R57.2
NetR52_1: R52.1 R56.1 R58.2 | length 6.3
  Top Layer w0.5: v1(9.13,56.12) R52.1
  Bottom Layer w0.5: R58.2 v1(9.13,56.12) R56.1
NON_INV1_1: IC3.3 R19.1 R25.2 | length 5.2
  Bottom Layer w0.5: IC3.3 56.21,58.66 R25.2 R19.1
NON_INV1_2: IC3.5 R20.1 R26.2 | length 5.2
  Bottom Layer w0.5: R26.2 R20.1 IC3.5
NON_INV2_1: IC4.3 R33.1 R39.2 | length 5.3
  Bottom Layer w0.5: IC4.3 40.444,42.29 R39.2 R33.1
NON_INV2_2: IC4.5 R34.1 R40.2 | length 5.1
  Bottom Layer w0.5: R40.2 R34.1 IC4.5
NON_INV3_1: IC5.3 R47.1 R53.2 | length 5.2
  Bottom Layer w0.5: IC5.3 25.57,58.66 R53.2 R47.1
NON_INV3_2: IC5.5 R48.1 R54.2 | length 5.2
  Bottom Layer w0.5: R54.2 R48.1 IC5.5
Proxy1: CN2.1 R9.1 R13.1 | length 9.2
  Bottom Layer w0.5: R13.1 58.191,16.259 59.95,14.5 R9.1 CN2.1
Proxy2: CN2.2 R8.1 R15.1 | length 8.9
  Bottom Layer w0.5: R15.1 58.807,18.567 59.79,19.55 R8.1 61.73,19.58 CN2.2
Proxy3: CN2.3 R7.1 R17.1 | length 10.9
  Bottom Layer w0.5: R17.1 58.575,20.875 60.15,22.45 60.15,23.98 60.82,24.65 R7.1 65.09,24.65 CN2.3
Proxy4: CN2.4 R12.1 R18.2 | length 13.4
  Bottom Layer w0.5: R18.2 57.553,23.183 59.51,25.14 59.51,28.97 60.29,29.75 R12.1 65.09,29.75 CN2.4
Proxy5: CN2.5 R11.1 R16.2 | length 16.6
  Bottom Layer w0.5: R16.2 57.392,25.492 58.14,26.24 58.14,33.55 59.44,34.85 R11.1 65.07,34.85 CN2.5
Proxy6: CN2.6 R10.1 R14.2 | length 18.7
  Bottom Layer w0.5: R14.2 56.65,36.77 59.78,39.9 R10.1 CN2.6
RST: R5.1 SW1.2 U2.15 | length 7.5
  Top Layer w0.4: SW1.2 v1(8.75,10.5) 8.75,11.47 9.68,12.4 U2.15@11.407,12.4
  Bottom Layer w0.4: R5.1 v1(8.75,10.5)
SCL: J6.4 U1.A5 | length 55.4
  Top Layer w0.5: J6.4 2.83,16.03 6.56,19.76 v1(6.56,19.94) ; U1.A5 31.46,47.07 32.14,46.39 32.14,38.17 v1(33,37.31)
  Bottom Layer w0.5: v1(6.56,19.94) 6.56,23.27 11.88,28.59 27.1,28.59 30.19,31.68 30.19,34.5 v1(33,37.31)
SDA: J6.3 U1.A4 | length 54
  Top Layer w0.5: J6.3 3.43,18.57 v1(7.65,22.79) ; U1.A4 34,38.394 34.75,37.644 v1(34.75,36.71)
  Bottom Layer w0.5: v1(7.65,22.79) 12.3,27.44 28.18,27.44 32.73,31.99 32.73,34.69 v1(34.75,36.71)
VIN: CN1.1 J1.2 J5.1 | length 75.8
  Bottom Layer w1: J5.1 1.49,31.5 4.22,28.77 4.22,10.716 6.886,8.05 31.24,8.05 33.97,5.32 44.41,5.32 46.07,3.66 J1.2
  Bottom Layer w2: J1.2 48.793,2.5 CN1.1
pads on no net: H1.1 H2.1 H3.1 H4.1 J6.5 J6.6 U1.3.3V U1.5V U1.AREF U1.D8 U1.D9 U1.D10 U1.D11 U1.D12 U1.D13 U1.RST1 U2.16

## Polygon pours and split planes (outlines as drawn)
GND on Top Layer "GND_L01_P006" (solid, remove dead copper, pour order 6): 0,0.001 70,0.001 70,75.001 0,75.001
3V3 on Top Layer "3V3_L01_P002" (solid, remove dead copper, pour order 2): 40.4,0.05 37.2,0.05 37.2,6.05 37.6,6.05 37.6,12.8 39.31,14.51 46.49,14.51 46.49,10.998 40.4,10.95
5V on Top Layer "5V_L01_P000" (solid, remove dead copper, pour order 0): 44.8,0 41.26,0 41.26,4.2 45.3,4.2 45.3,8.6 47.5,8.6 47.5,13 54.5,13 54.5,8 48.5,8 48.5,0
GND on Bottom Layer "GND_L02_P004" (solid, remove dead copper, pour order 4): 0,0 70,0 70,75 0,75

## Keep-outs
Top Layer:
  lines w0.254: 8.814,0 31.1,0 31.1,7 8.814,7 8.814,0
Bottom Layer:
  lines w0.254: 8.8,0 31,0 31,7 8.8,7 8.8,0
Keep-Out Layer:
  lines w0.254: 0,70.8 cw(c4.1,70.9) 4,75 65.8,75 cw(c65.9,70.9) 70,71 70,4.2 cw(c65.9,4.1) 66,0 4.2,0 cw(c4.1,4.1) 0,4 0,71

## Silkscreen, mask and mechanical layers (free items; w line width, h text height)
Top Overlay:
  drawing of 2 lines, arcs and shapes, not listed
  text "KERI" at 21.9,25.694 h9
  text "STUDIO" at 21.6,22.365 h5
Bottom Overlay:
  drawing of 2 lines, arcs and shapes, not listed
  text "KERI" at 24.87,5.124 h9
  text "STUDIO" at 25.17,1.795 h5

## Dimensions
66,0 to 65.8,75 on Mechanical 16
0,4 to 70,4.2 on Mechanical 16